# Altium PCB Autopilot_v0.PcbDoc
Units mm, origin at the board's own origin, x right, y up, seen from the top; angles counter-clockwise.
Board outline 100 x 60 mm, 4 copper layers (Top Layer, Internal Plane 1, Internal Plane 2, Bottom Layer); 193 components, 220 nets, 934 pads, 12 vias.
Unrouted connection lines stored in the file: 604.
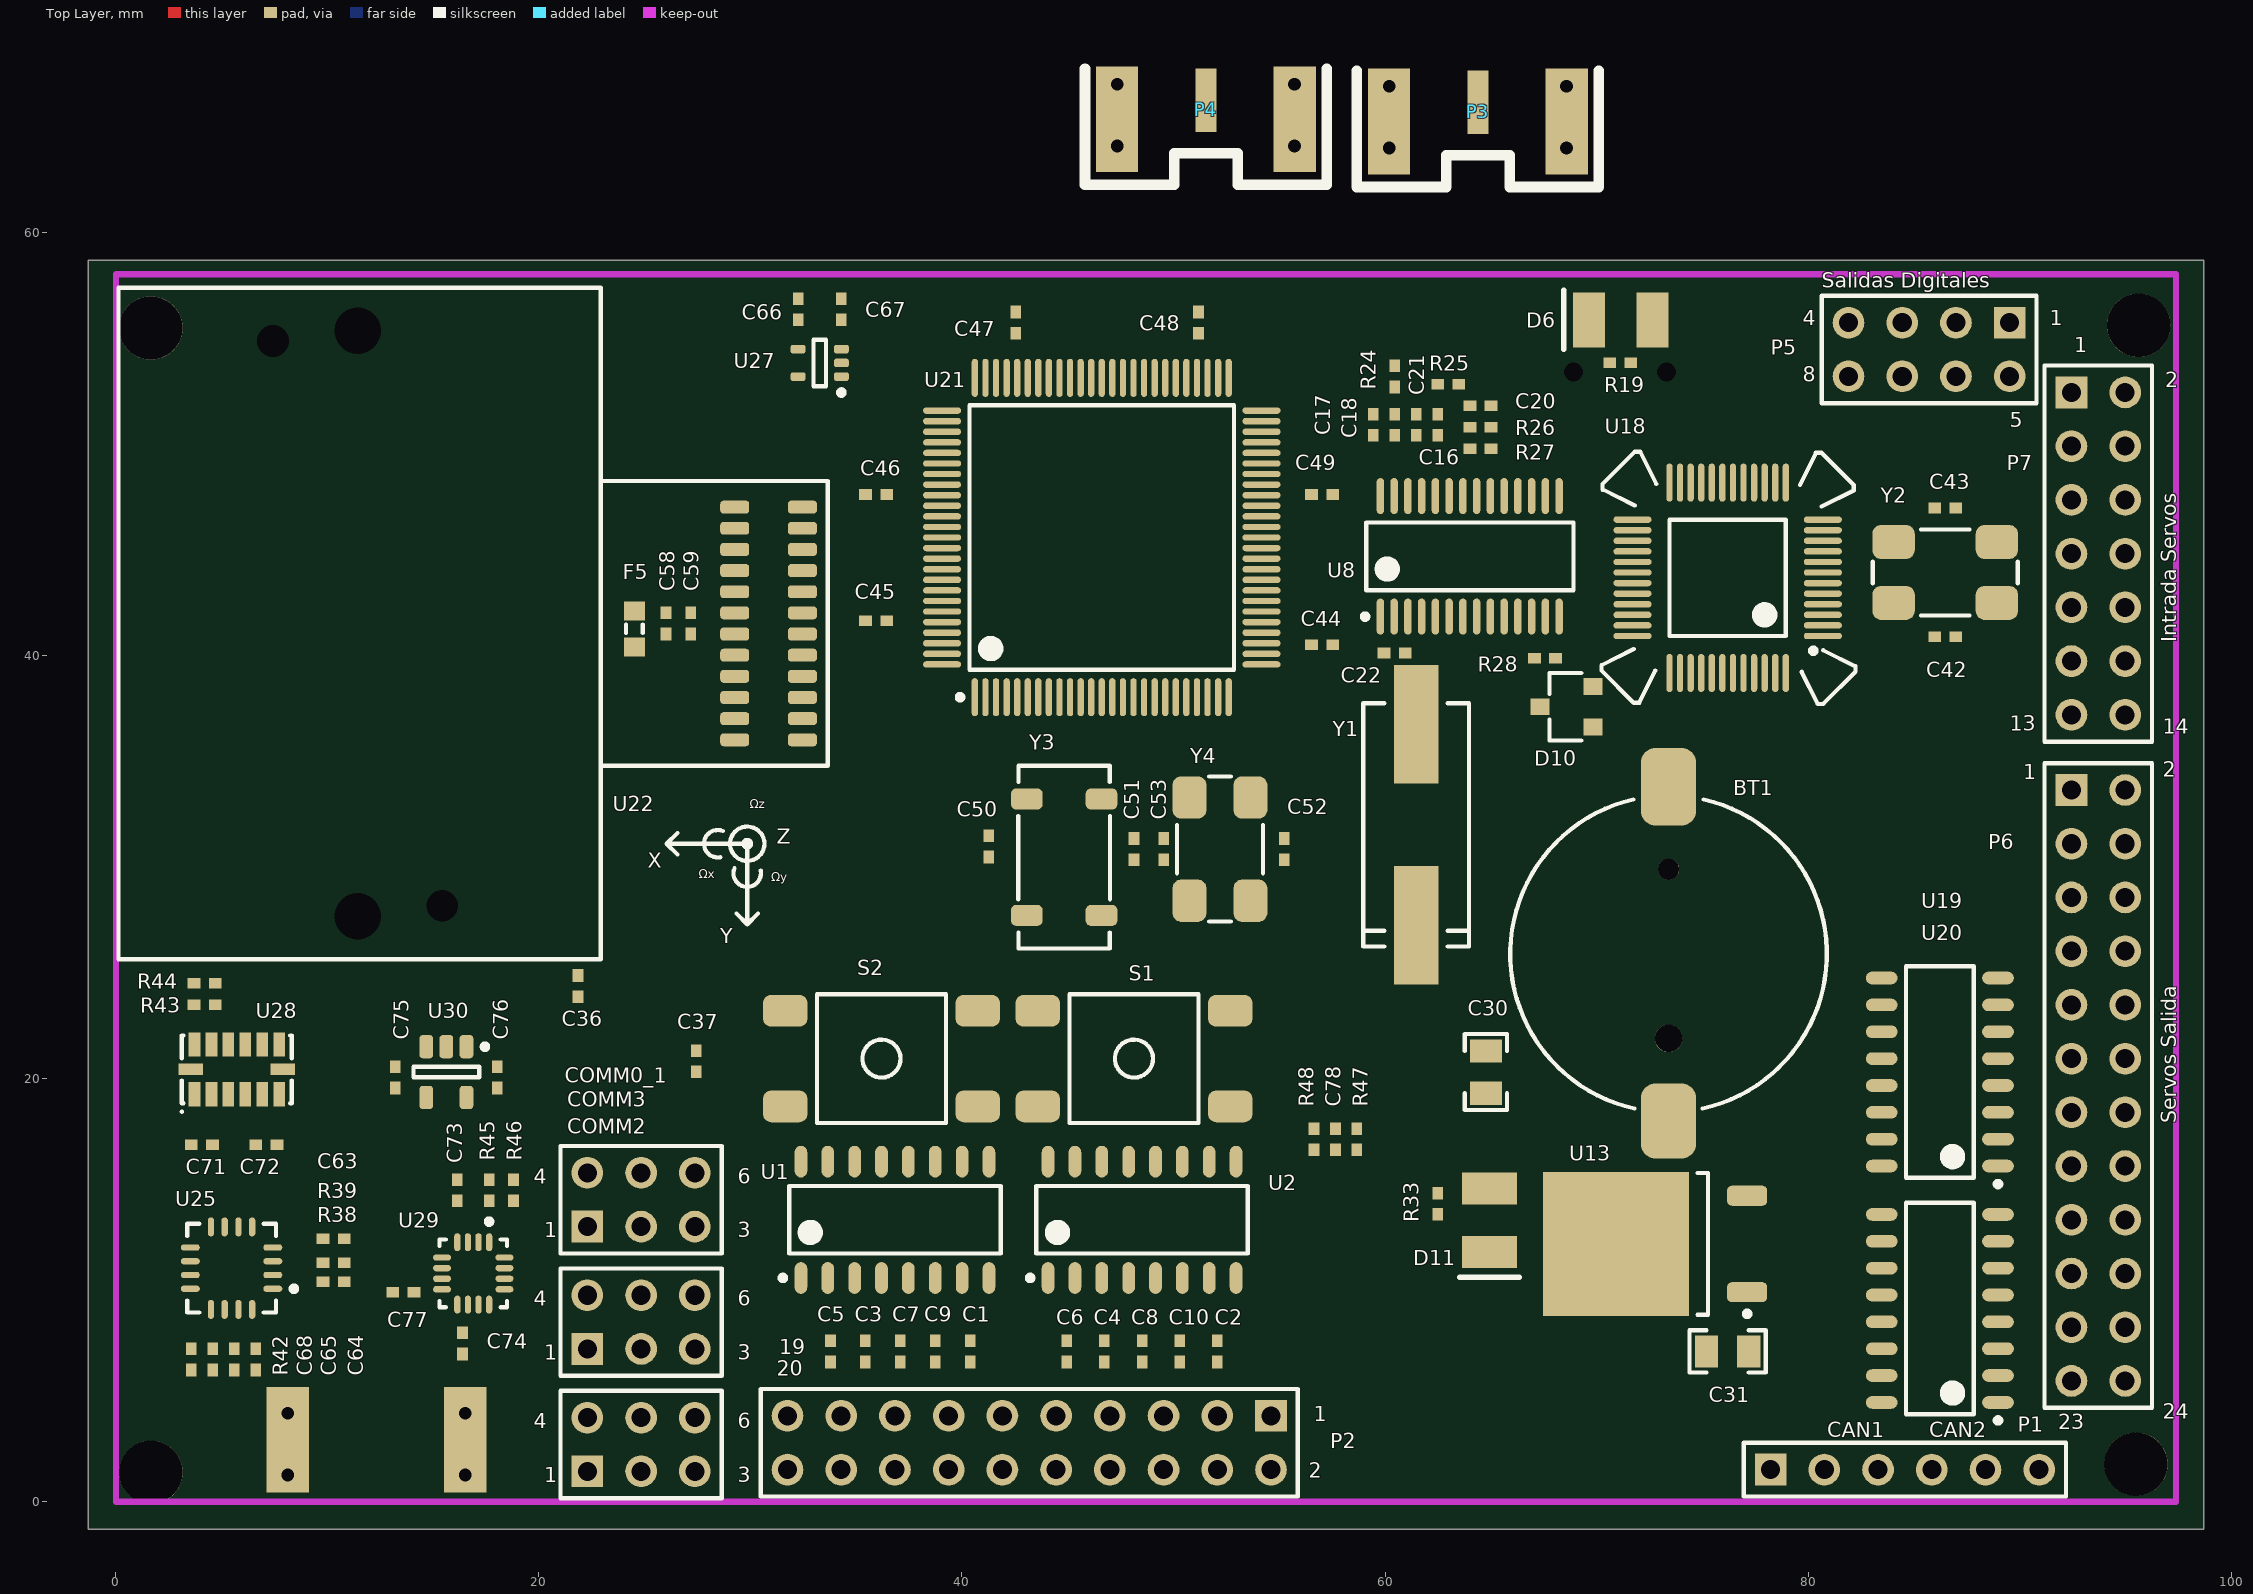
[diagram p0: Top Layer view]
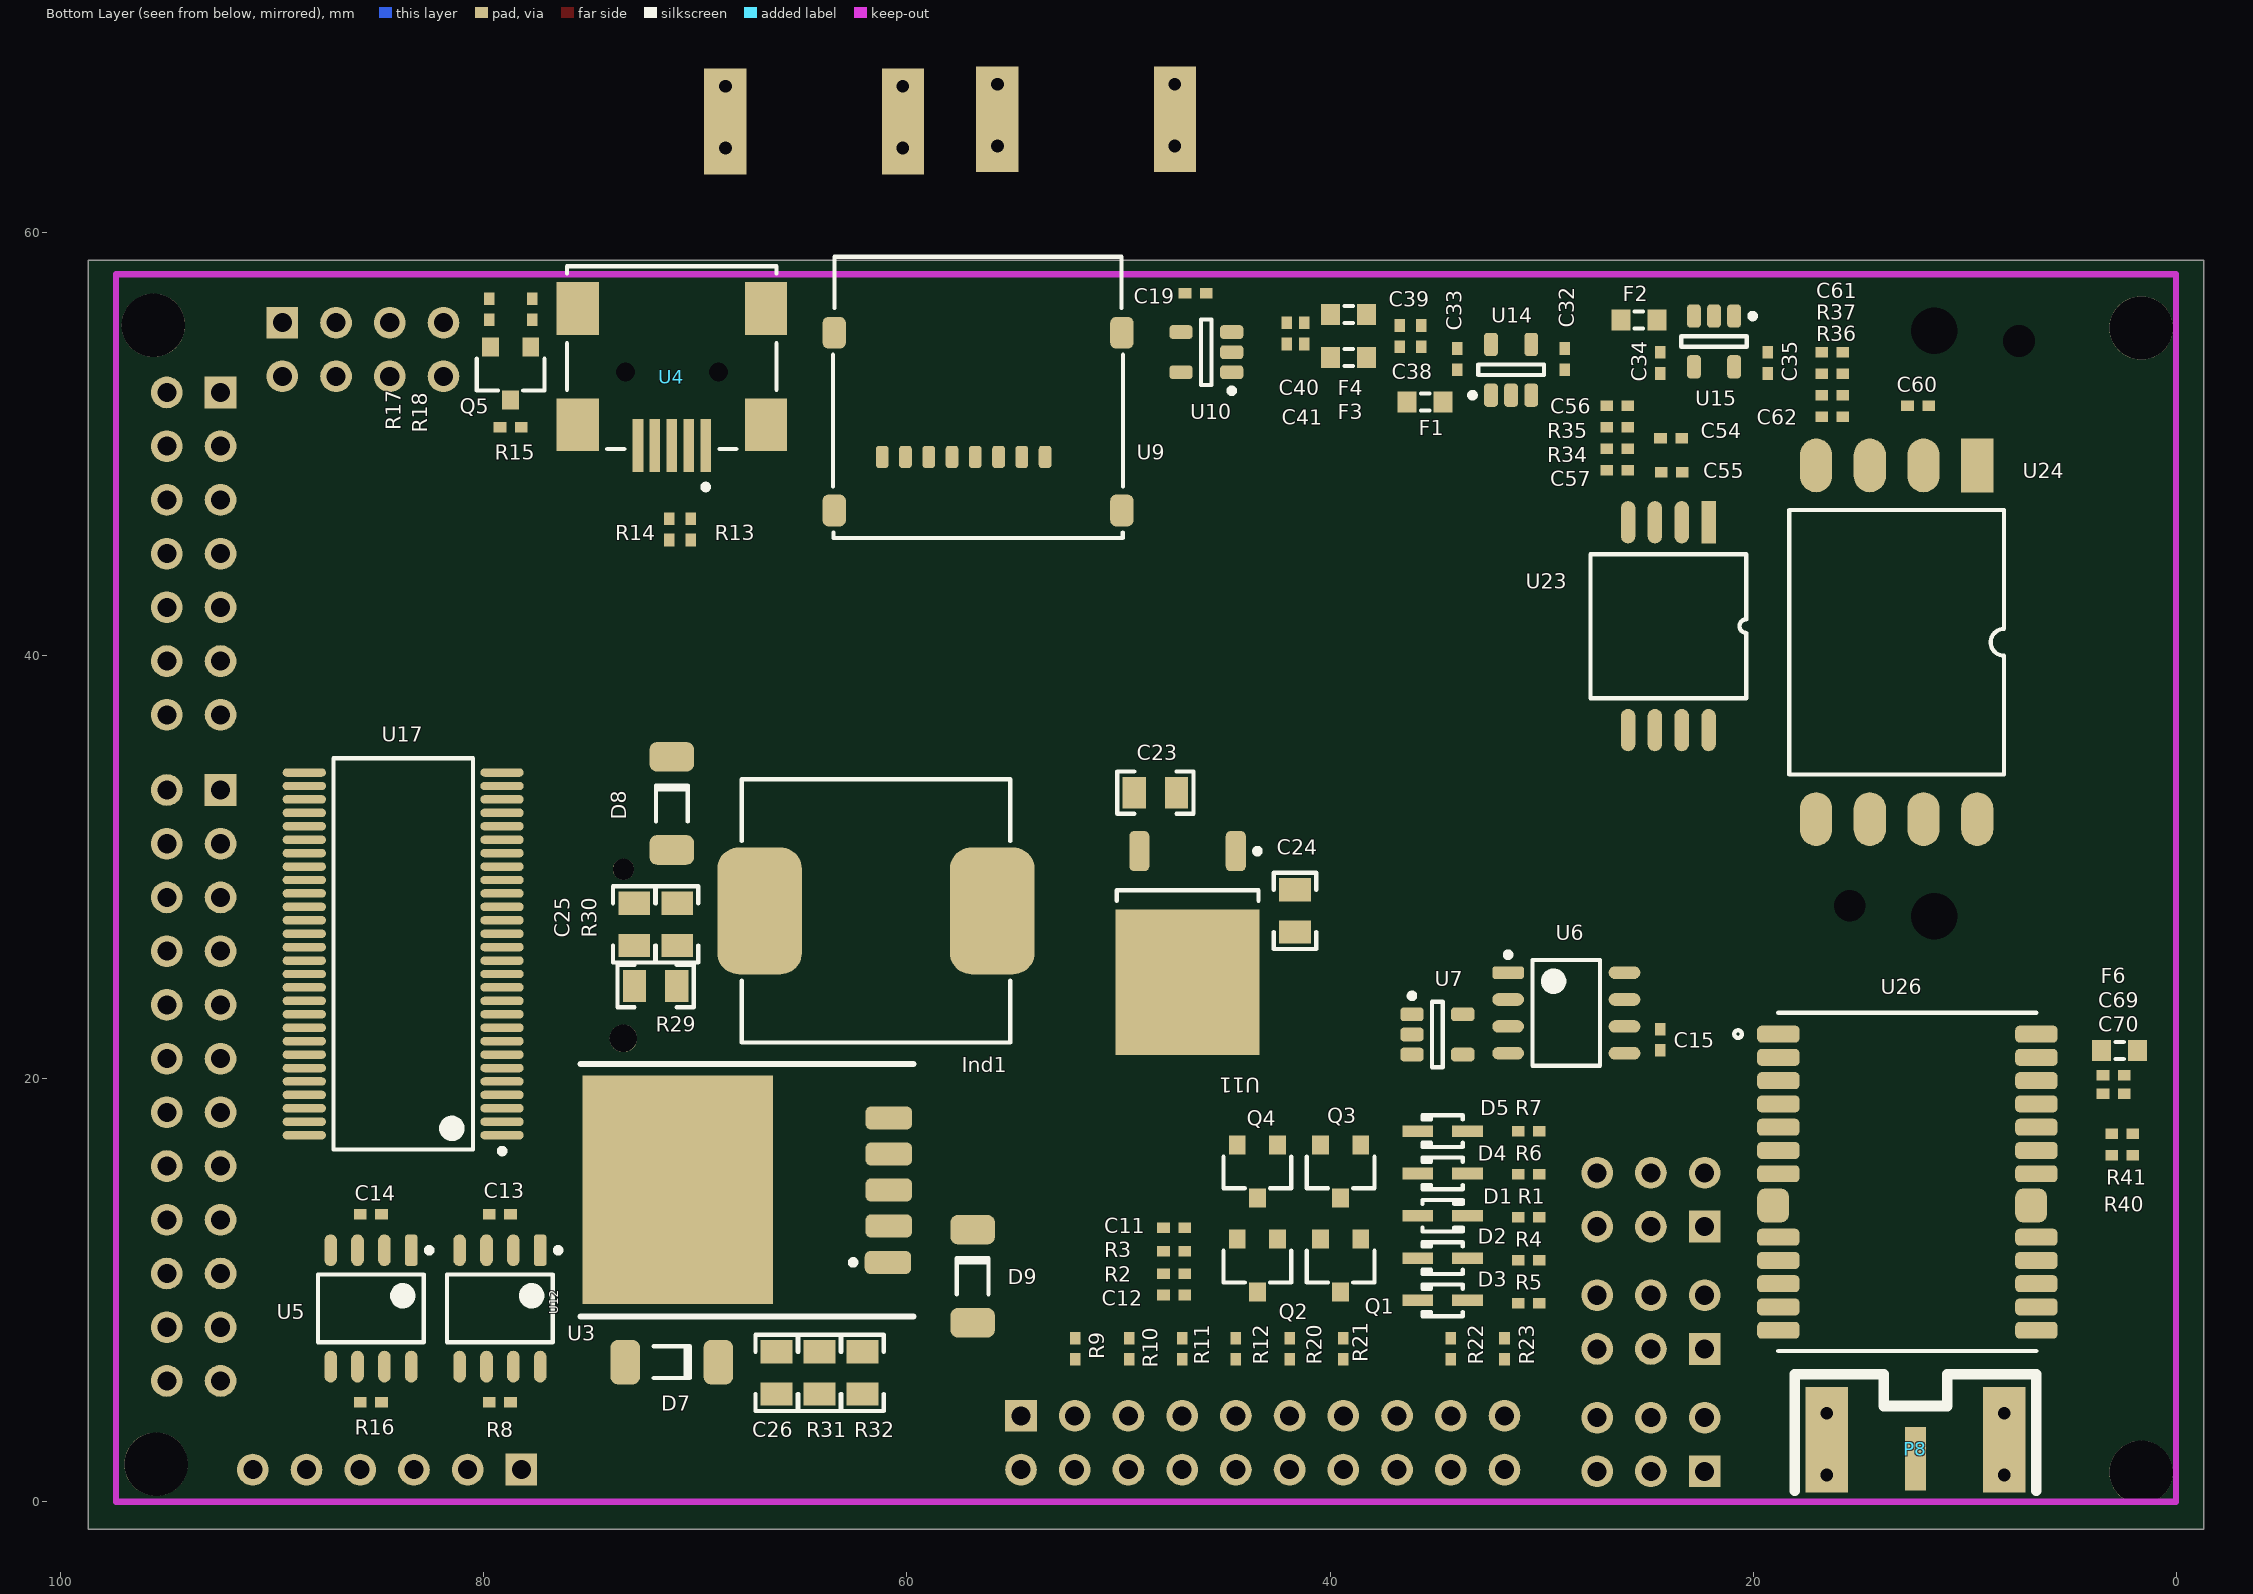
[diagram p1: Bottom Layer view, seen from below]
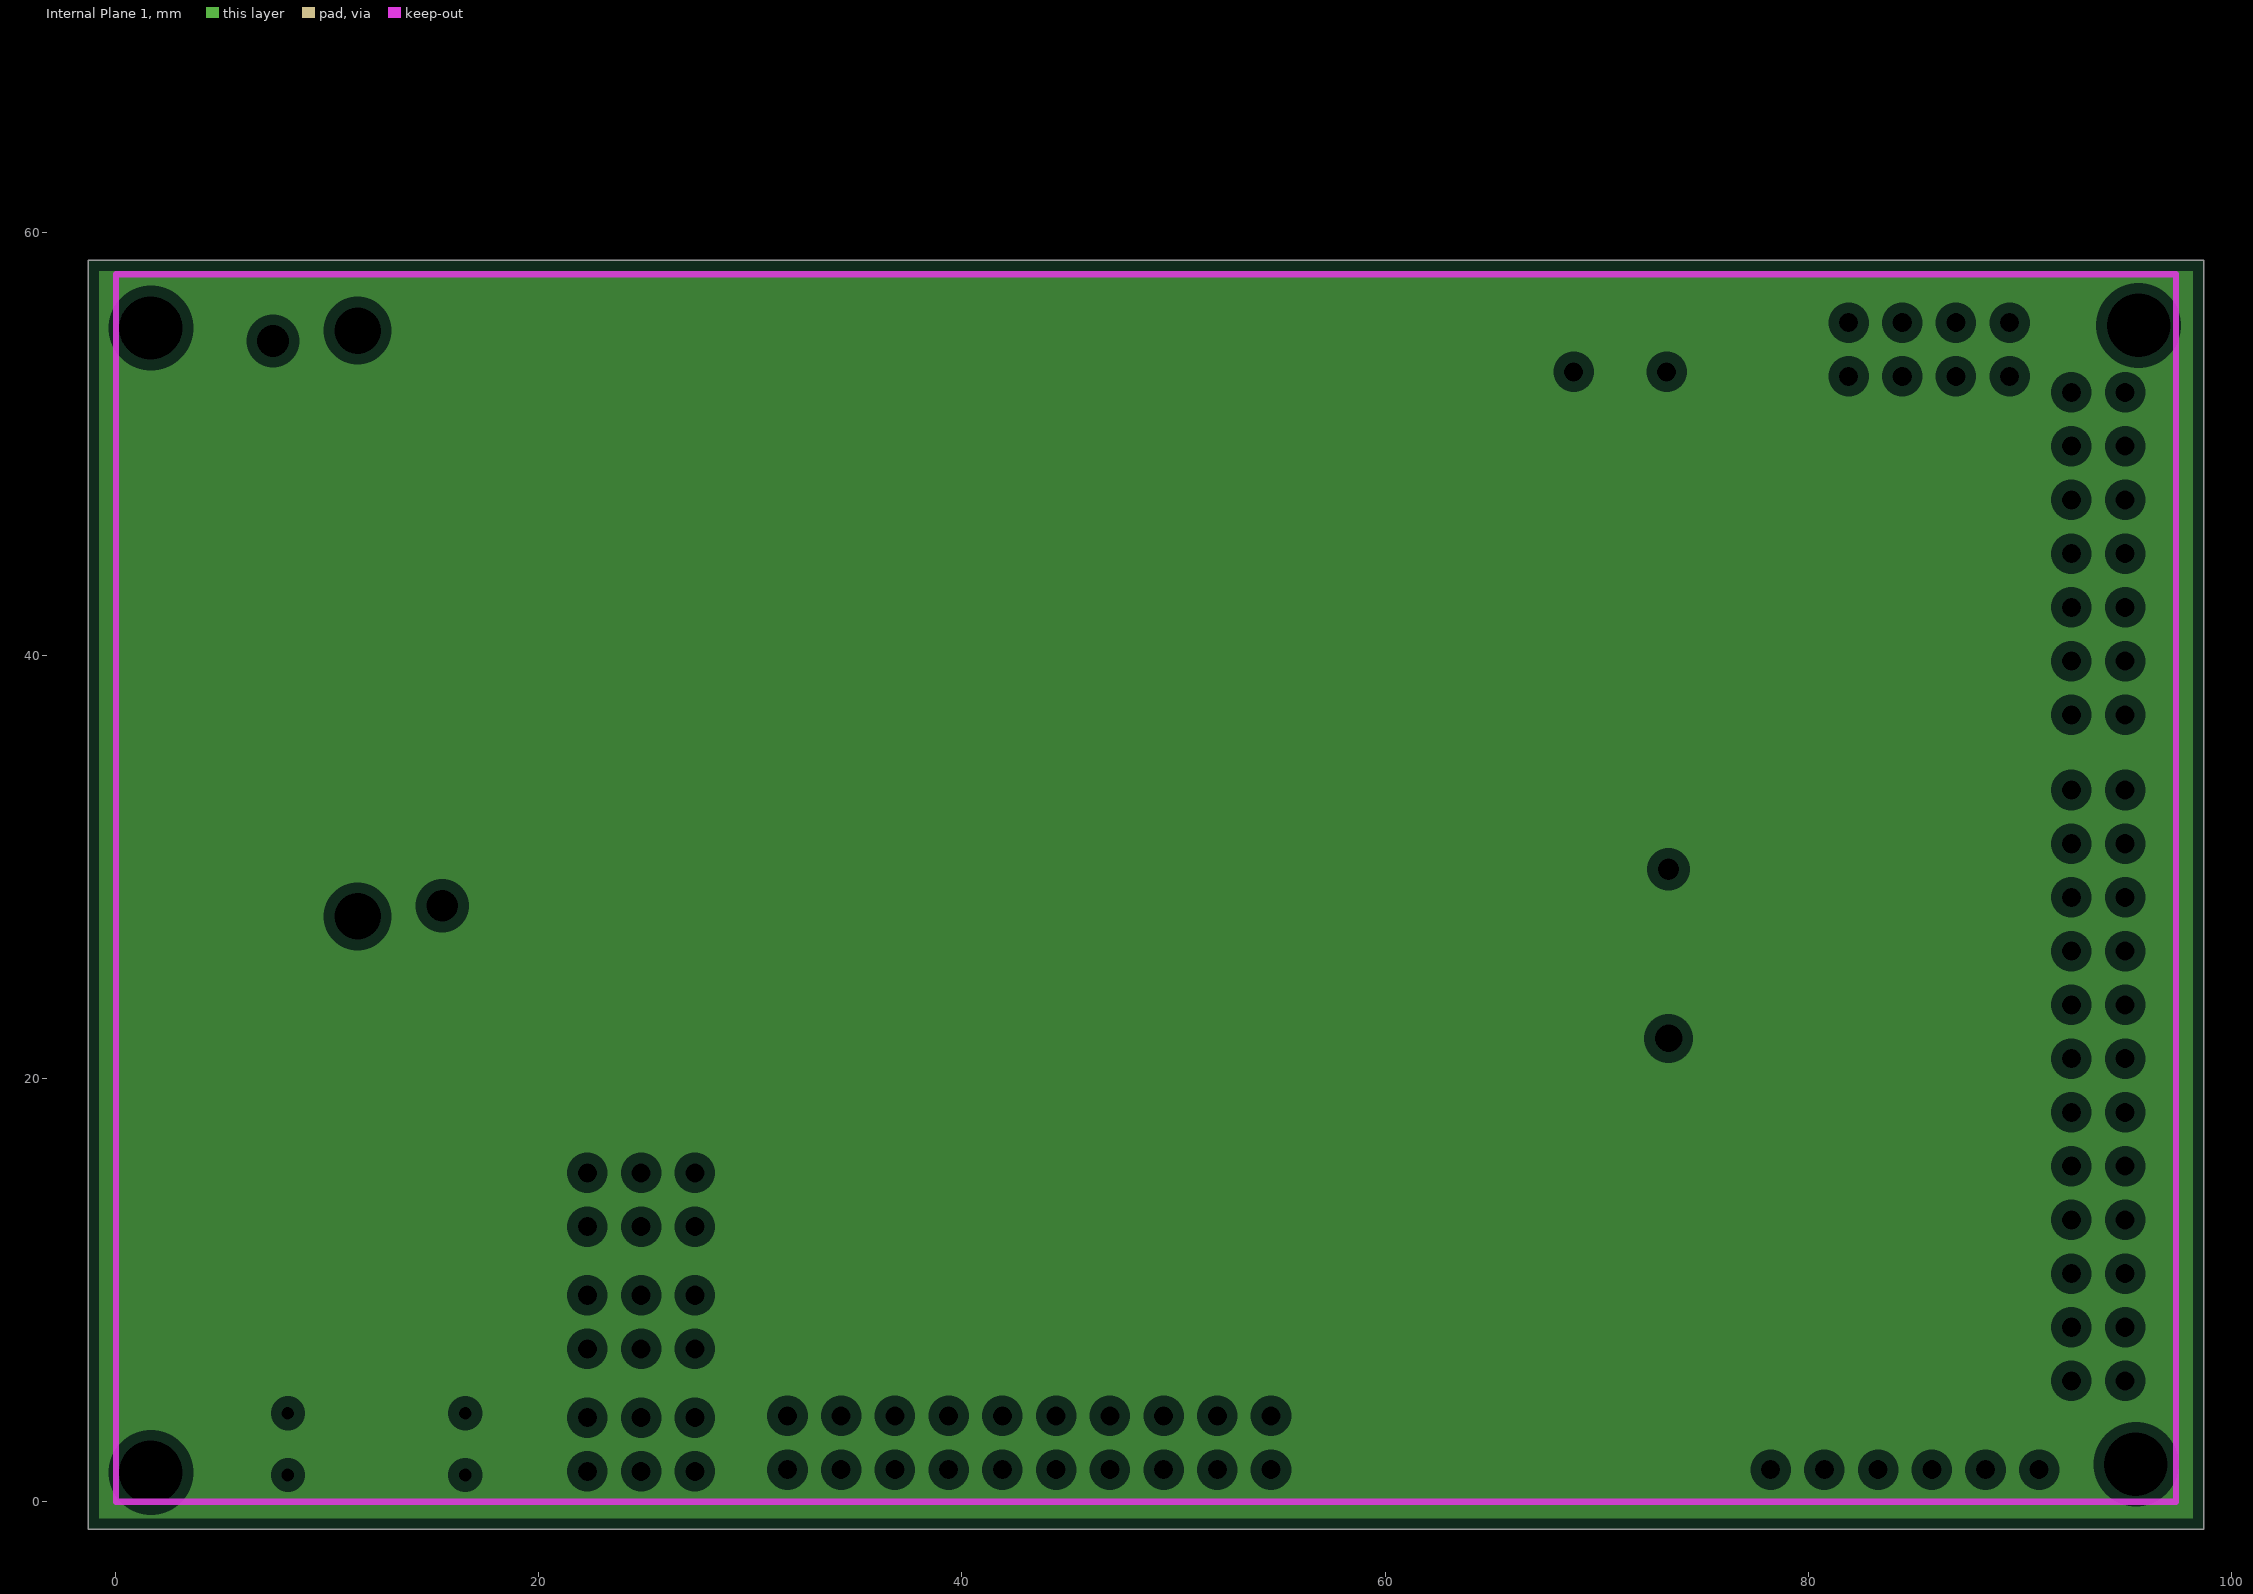
[diagram p2: Internal Plane 1, clearances drawn from the general rule]
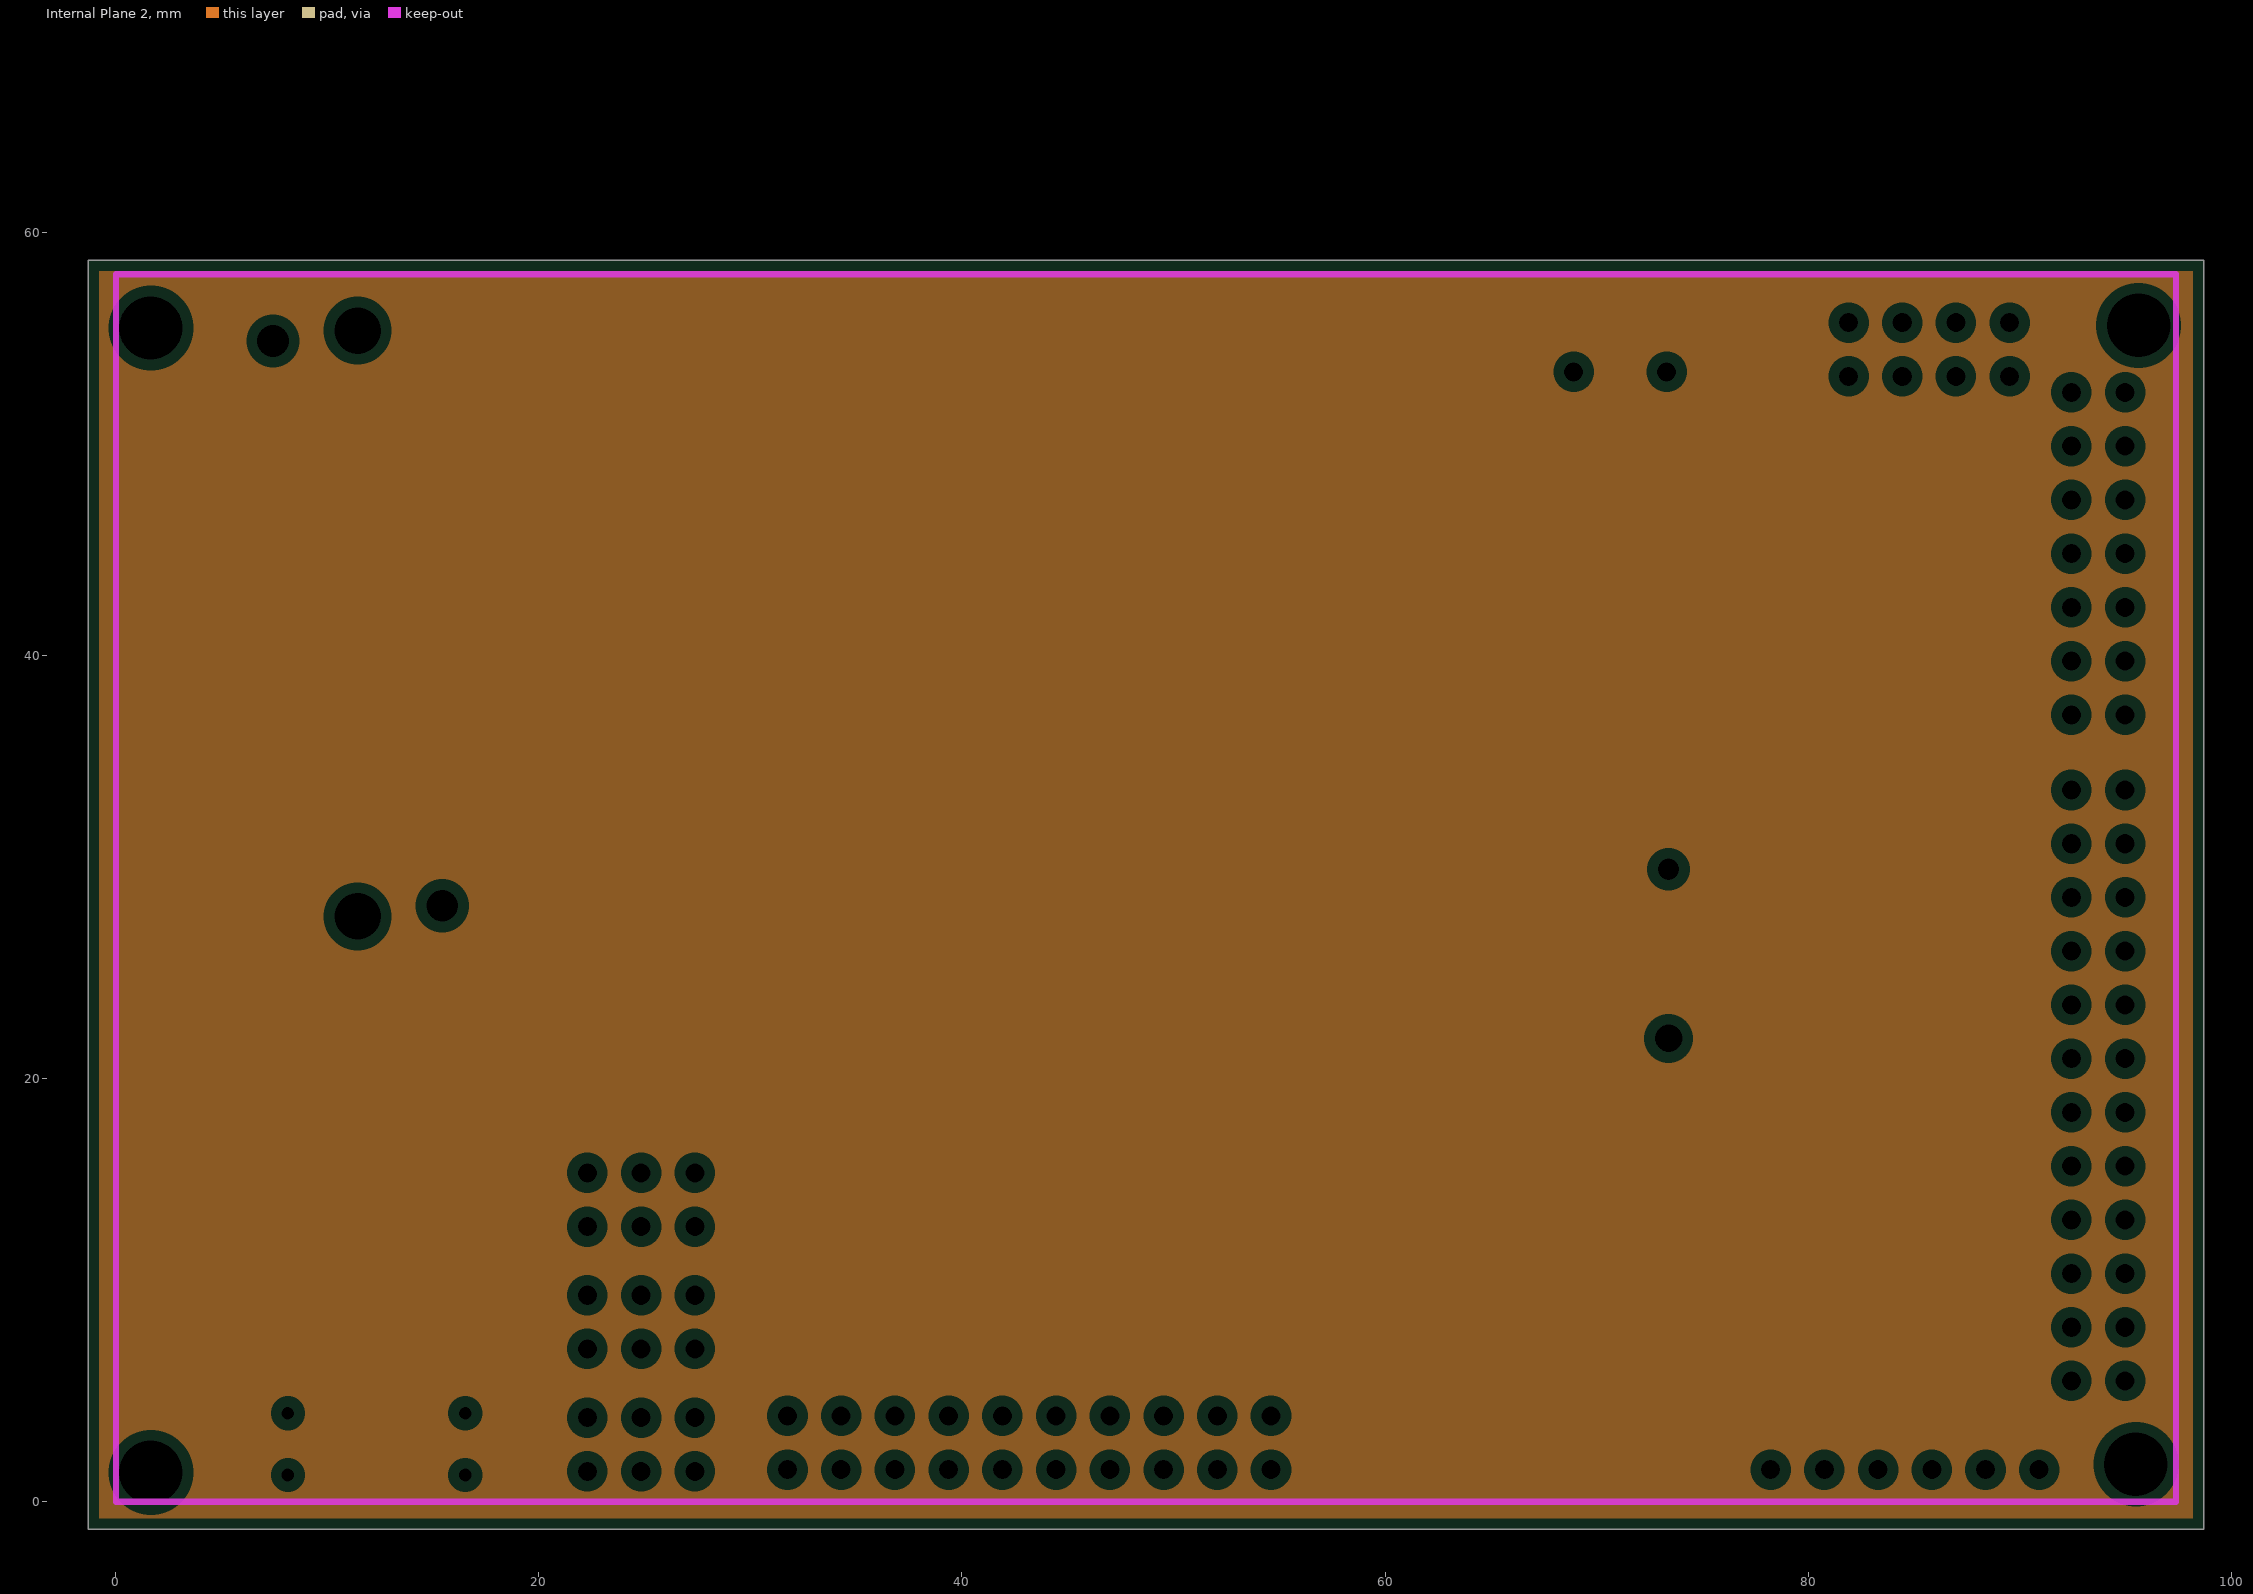
[diagram p3: Internal Plane 2, clearances drawn from the general rule]

## Layer stack, top to bottom
Top Layer: signal copper 0.0356
Dielectric: dielectric 0.32, FR-4, Dk 4.8
Internal Plane 1: plane copper 0.0356
Dielectric: dielectric 0.32, FR-4, Dk 4.8
Internal Plane 2: plane copper 0.0356
Dielectric: dielectric 0.32, FR-4, Dk 4.8
Bottom Layer: signal copper 0.0356

## Board outline
-1.3,-1.3 98.7,-1.3 98.7,58.7 -1.3,58.7

## Design rules (kind name [scope] priority, off if disabled: settings)
Clearance Clearance_HMC [(InComponent('U29') AND IsPad)] p1: gap=0.15
Clearance Clearance_ADXL [(InComponent('U28') AND IsPad) vs (InComponent('U28') AND IsPad)] p2: gap=0.15
Clearance "Pads LPC17" [(InComponent('U21') AND IsPad) vs (InComponent('U21') AND IsPad)] p3: gap=0.2
Clearance [All] p4: gap=0.2
PlaneClearance [All] p1: clearance=0.508
PlaneConnect [All] p1: planeconnectstyle=Direct reliefexpansion=0.508 reliefentries=4 reliefconductorwidth=0.254 reliefairgap=0.254
PolygonConnect [All] p1: connectstyle=Relief reliefconductorwidth=0.3 reliefentries=4 polygonreliefangle="90 Angle"
RoomDefinition Sensores [InComponentClass('Sensores')] p1: confinementstyle=ConfineIn formatcopy=TRUE lockcomponents=FALSE outline -3.302,-11.811 64.135,-11.811 64.135,59.69 -3.302,59.69
RoomDefinition SensorDSC [InComponentClass('SensorDSC')] p2: confinementstyle=ConfineIn formatcopy=TRUE lockcomponents=TRUE outline 34.671,25.781 58.166,25.781 58.166,57.023 34.671,57.023
RoomDefinition RC_Interface [InComponentClass('RC_Interface')] p3: confinementstyle=ConfineIn formatcopy=TRUE lockcomponents=TRUE outline 69.85,-1.524 99.568,-1.524 99.568,58.42 69.85,58.42
RoomDefinition Power [InComponentClass('Power')] p4: confinementstyle=ConfineIn formatcopy=TRUE lockcomponents=FALSE outline 11.303,-0.889 94.615,-0.889 94.615,58.039 11.303,58.039
RoomDefinition "OSD y Memoria" [InComponentClass('OSD y Memoria')] p5: confinementstyle=ConfineIn formatcopy=TRUE lockcomponents=TRUE outline -5.618,-6.985 95.22,-6.985 95.22,85.598 -5.618,85.598
RoomDefinition Comunicaciones [InComponentClass('Comunicaciones')] p6: confinementstyle=ConfineIn formatcopy=TRUE lockcomponents=FALSE outline 11.049,-5.08 99.695,-5.08 99.695,60.579 11.049,60.579
RoutingVias [All] p1: holewidth=0.4 width=0.7 viastyle="Through Hole" minholewidth=0.4 minwidth=0.3 maxholewidth=1 maxwidth=3
SilkscreenOverComponentPads [All] p1: minsilkscreentomaskgap=0.254
SolderMaskExpansion [All] p1: expansion=0.102
Width [All] p1: maxlimit=3 minlimit=0.2 preferedwidth=1
25 further rules are at their usual default settings.

## Classes and differential pairs
component class Comunicaciones: C1 C2 C3 C4 C5 C6 C7 C8 C9 C10 C11 C12 C13 C14 COMM0_1 COMM2 COMM3 D1 D2 D3 D4 D5 D6 P1 P2 Q1 Q2 Q3 Q4 Q5 R1 R2 R3 R4 R5 R6 R7 R8 R9 R10 R11 R12 R13 R14 R15 R16 R17 R18 R19 R20 R21 R22 R23 S1 S2 U1 U2 U3 U4 U5
component class "OSD y Memoria": C15 C16 C17 C18 C19 C20 C21 C22 P3 P4 R24 R25 R26 R27 R28 U6 U7 U8 U9 U10 Y1
component class Power: BT1 C23 C24 C25 C26 C27 C28 C29 C30 C31 C32 C33 C34 C35 C36 C37 C38 C39 C40 C41 D7 D8 D9 D10 D11 F1 F2 F3 F4 Ind1 R29 R30 R31 R32 R33 U11 U12 U13 U14 U15 U16
component class RC_Interface: C42 C43 P5 P6 P7 U17 U18 U19 U20 Y2
component class SensorDSC: C44 C45 C46 C47 C48 C49 C50 C51 C52 C53 U21 Y3 Y4
component class Sensores: C54 C55 C56 C57 C58 C59 C60 C61 C62 C63 C64 C65 C66 C67 C68 C69 C70 C71 C72 C73 C74 C75 C76 C77 C78 F5 F6 P8 R34 R35 R36 R37 R38 R39 R40 R41 R42 R43 R44 R45 R46 R47 R48 U22 U23 U24 U25 U26 U27 U28 U29 U30
